# EAGLE board working (EAGLE 9.6.2), part 18 of 28 (continued)
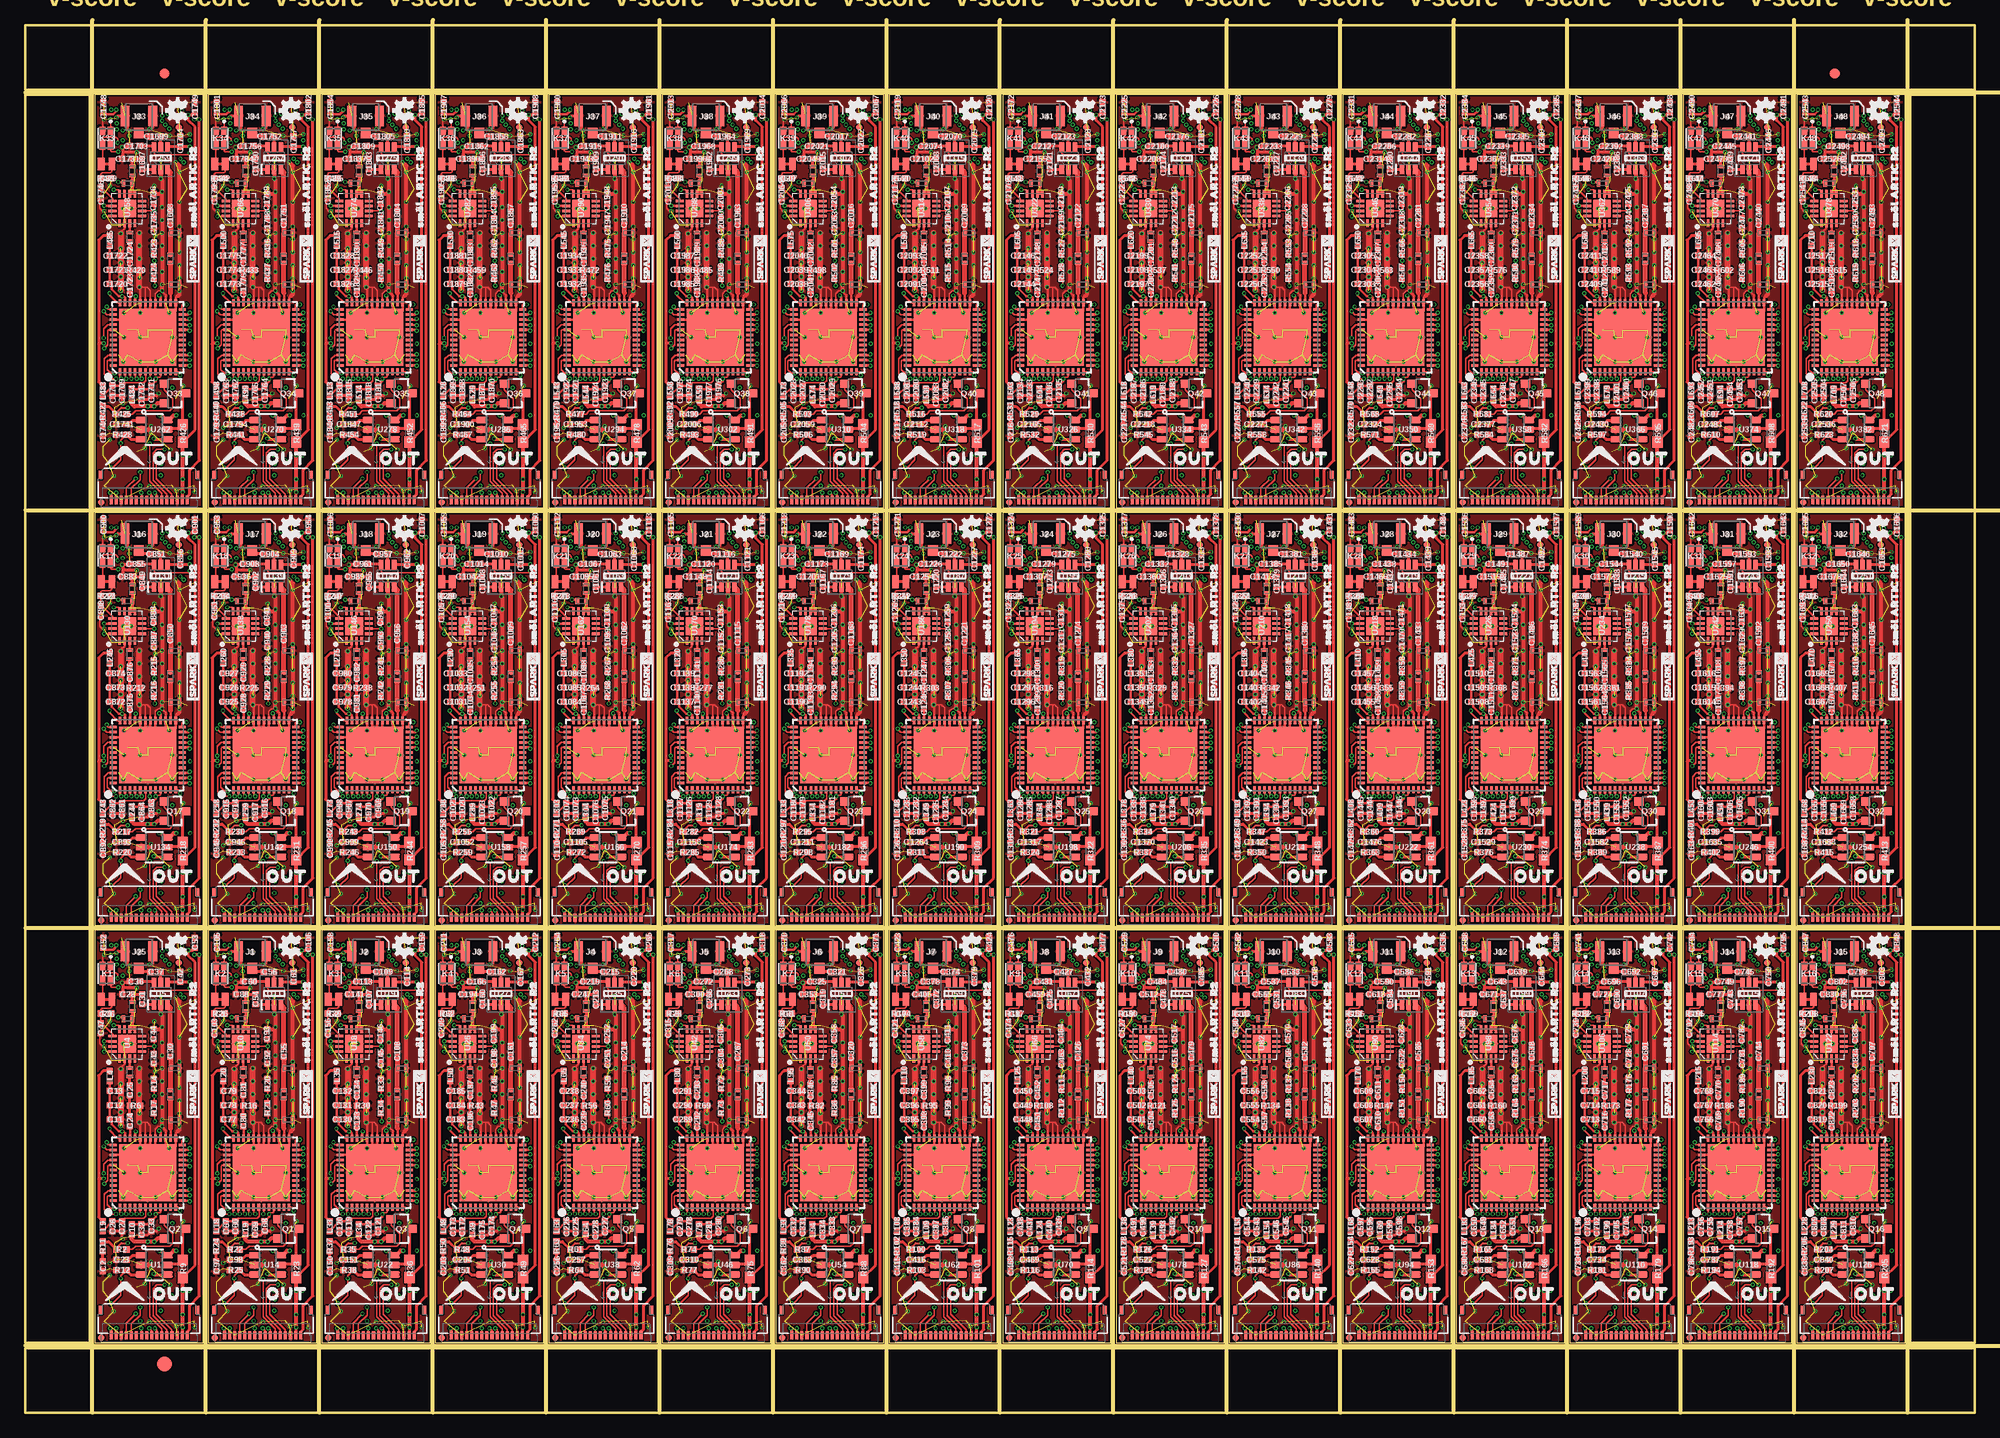
[diagram p0: board, top side]
## Tracks (layer width: path | path; a pad name or v marks a point on that pad's centre or on a via) (continued)
  Bottom 0.254: X42.1 110.68,106.3 v110.3,105.92
  Bottom 0.305: C2222.2 114.24,99.89 v113.73,100.39
  Bottom 0.406: v108.9,97.03 108.9,96.52 U332.2 108.9,96.39 v108.9,95.82
  other vias: 115.76,111.76 115.76,110.49 115.76,114.3 115.76,115.57 111.89,105.92 110.24,103.51 111.89,103.51 113.41,103.51 115.06,103.51 115.76,113.03 109.98,110.49 110.24,118.62 111,118.62 113.28,120.84 116.78,125.92 113.92,123.32 115.76,119.25 115.76,122.17 115.44,90.81 117.28,90.68 112.33,95 115.76,127.64 115.06,105.92 112.78,91.25 109.28,92.27 114.87,94.87 114.74,108.33 114.81,125.79 113.37,115.91 108.78,93.54
  cutout Route2 (isolate 0.305): 114.3,122.94 115.44,122.94 115.44,110.24 115.19,109.98 115.19,108.84 114.55,108.84 114.55,110.11 114.3,110.36
  pour Top (isolate 0.152, rank 3): 107.44,129.79 118.11,129.79 118.11,89.15 107.44,89.15
  pour Route2 (isolate 0.152, rank 2): 107.44,129.79 118.11,129.79 118.11,89.15 107.44,89.15
  pour Route15 (isolate 0.152, rank 2): 107.44,129.79 118.11,129.79 118.11,89.15 107.44,89.15
  pour Bottom (isolate 0.152, rank 2): 107.44,129.79 118.11,129.79 118.11,89.15 107.44,89.15
  pour Top (isolate 0.102): 109.73,117.48 112.14,117.48 112.14,108.59 109.73,108.59
  pour Top (isolate 0.102): 113.86,122.94 115.95,122.94 115.95,108.59 113.86,108.59
  pour Top (isolate 0.102): 110.36,123.89 113.86,123.89 113.86,119.44 110.36,119.44
  pour Top (isolate 0.102): 109.79,128.91 114.36,128.91 114.36,123.89 109.79,123.89
GND42  (via drill 0.2)  (89 unrouted)
  Top 0.152: U337.30 124.08,110.56 123.76,110.87 123.57,110.87 | v123,110.87 123.57,110.87 | U337.31 123.58,110.87 123.57,110.87 | U337.29 124.56,109.34 124.56,110.21 124.84,110.49 v125.22,110.49 | v119.51,118.36 119.32,118.36 119.06,118.62 119.06,119.52 C2276.1 | K43.2 119.36,127.23 v119.51,127.38
  Top 0.203: U338.2 121.54,116.65 121.16,116.27 v121.16,116.14
  Top 0.254: v125.22,110.49 125.22,110.43 125.58,110.07 U337.27 125.58,108.23 125.6,108.2 | 126.75,109.98 126.58,109.81 U337.25 126.58,108.54 126.24,108.2 125.6,108.2 | 123.08,108.34 U337.32 123.08,110.8 v123,110.87 | 123.08,108.34 v123.06,108.33 | U337.39 121.23,107.67 121.48,107.91 v121.48,108.33 | 125.6,108.2 124.59,108.2 | 124.59,108.2 124.08,108.2 | 124.08,108.2 123.57,108.2 | 123.57,108.2 123.21,108.2 123.08,108.34 | U337.31 123.58,108.21 123.57,108.2 | U337.30 124.08,108.21 124.08,108.2 | U337.29 124.58,108.22 124.59,108.2
  Top 0.305: v120.71,127.57 120.88,127.73 J43.2 121.79,127.5 121.79,126.49 v121.98,126.3 | v123.95,126.43 124.14,126.43 124.31,126.6 J43.1 | C2242.2 123.83,99.83 C2241.2 124.66,100.15 v124.9,100.39 | v121.35,99.44 121.29,99.51 C2239.2 C2240.2 | C2261.1 121.29,123.64 121.41,123.76 121.41,124.14 | 121.41,124.14 121.41,124.52 v121.29,124.65 121.93,124.65 C2233.2 | v122.75,124.14 121.41,124.14
  Top 0.406: 126.75,109.98 126.92,110.16 L642.P$1 L643.P$1 126.92,116.83 v126.94,116.84 126.94,122.81 v126.56,123.19 | R550.1 | v125.22,110.49 v125.22,111.12 v125.22,112.4 v125.22,113.67 v125.22,114.94 v125.22,116.2 v125.22,117.48 v125.22,118.75 v125.22,120.27 | C2266.2 125.02,120.07 v125.22,120.27 | v124.14,97.16 123.83,96.84 | U342.2 123.83,96.84 | v124.14,96.52 123.83,96.84 | U339.2 v125.09,121.54 125.22,121.41 v125.22,120.27
  Top 0.61: v123,110.87 v123,111.76 v123,113.67 v123,114.94 v123,116.2 | 121.16,110.6 v121.16,111.89 v121.16,113.28 v121.16,114.68 v121.16,116.14
  Bottom 0.152: U343.4 127.5,100.98 v127.32,101.16 | v121.29,124.65 120.52,124.65 119.52,123.64 R551.2 C2255.1 119.52,121.4 v120.08,120.84 | X43.2 120.06,106.25 118.88,106.25 | C2231.2 118.88,95.76 118.88,103.2 | 118.88,106.25 118.88,109.42 119.06,109.6 C2244.2 119.64,109.6 120.55,108.69 120.89,108.69 121.25,108.33 v121.48,108.33 | 118.88,106.25 118.88,103.2 | R549.2 118.88,103.2
  Bottom 0.254: X43.1 121.86,106.3 v121.48,105.92
  Bottom 0.305: C2275.2 125.41,99.89 v124.9,100.39
  Bottom 0.406: v120.08,97.03 120.08,96.52 U340.2 120.08,96.39 v120.08,95.82
  other vias: 126.94,111.76 126.94,110.49 126.94,114.3 126.94,115.57 123.06,105.92 121.41,103.51 123.06,103.51 124.59,103.51 126.24,103.51 126.94,113.03 121.16,110.49 121.41,118.62 122.17,118.62 124.46,120.84 127.95,125.92 125.09,123.32 126.94,119.25 126.94,122.17 126.62,90.81 128.46,90.68 123.51,95 126.94,127.64 126.24,105.92 123.95,91.25 120.46,92.27 126.05,94.87 125.92,108.33 125.98,125.79 124.55,115.91 119.95,93.54
  cutout Route2 (isolate 0.305): 125.48,122.94 126.62,122.94 126.62,110.24 126.37,109.98 126.37,108.84 125.73,108.84 125.73,110.11 125.48,110.36
  pour Top (isolate 0.152, rank 3): 118.62,129.79 129.29,129.79 129.29,89.15 118.62,89.15
  pour Route2 (isolate 0.152, rank 2): 118.62,129.79 129.29,129.79 129.29,89.15 118.62,89.15
  pour Route15 (isolate 0.152, rank 2): 118.62,129.79 129.29,129.79 129.29,89.15 118.62,89.15
  pour Bottom (isolate 0.152, rank 2): 118.62,129.79 129.29,129.79 129.29,89.15 118.62,89.15
  pour Top (isolate 0.102): 120.9,117.48 123.32,117.48 123.32,108.59 120.9,108.59
  pour Top (isolate 0.102): 125.03,122.94 127.13,122.94 127.13,108.59 125.03,108.59
  pour Top (isolate 0.102): 121.54,123.89 125.03,123.89 125.03,119.44 121.54,119.44
  pour Top (isolate 0.102): 120.97,128.91 125.54,128.91 125.54,123.89 120.97,123.89
GND43  (via drill 0.2)  (89 unrouted)
  Top 0.152: U345.30 135.25,110.56 134.94,110.87 134.75,110.87 | v134.17,110.87 134.75,110.87 | U345.31 134.75,110.87 | U345.29 135.73,109.34 135.73,110.21 136.01,110.49 v136.4,110.49 | v130.68,118.36 130.49,118.36 130.24,118.62 130.24,119.52 C2329.1 | K44.2 130.54,127.23 v130.68,127.38
  Top 0.203: U346.2 132.72,116.65 132.33,116.27 v132.33,116.14
  Top 0.254: v136.4,110.49 136.4,110.43 136.75,110.07 U345.27 136.75,108.23 136.78,108.2 | 137.92,109.98 137.75,109.81 U345.25 137.75,108.54 137.41,108.2 136.78,108.2 | 134.25,108.34 U345.32 134.25,110.8 v134.17,110.87 | 134.25,108.34 v134.24,108.33 | U345.39 132.41,107.67 132.65,107.91 v132.65,108.33 | 136.78,108.2 135.76,108.2 | 135.76,108.2 135.25,108.2 | 135.25,108.2 134.75,108.2 | 134.75,108.2 134.39,108.2 134.25,108.34 | U345.31 134.75,108.21 134.75,108.2 | U345.30 135.25,108.21 135.25,108.2 | U345.29 135.75,108.22 135.76,108.2
  Top 0.305: v131.89,127.57 132.05,127.73 J44.2 132.97,127.5 132.97,126.49 v133.16,126.3 | v135.13,126.43 135.32,126.43 135.49,126.6 J44.1 | C2295.2 135,99.83 C2294.2 135.83,100.15 v136.08,100.39 | v132.52,99.44 132.46,99.51 C2292.2 C2293.2 | C2314.1 132.47,123.64 132.59,123.76 132.59,124.14 | 132.59,124.14 132.59,124.52 v132.46,124.65 133.1,124.65 C2286.2 | v133.92,124.14 132.59,124.14
  Top 0.406: 137.92,109.98 138.1,110.16 L657.P$1 L658.P$1 138.1,116.83 v138.11,116.84 138.11,122.81 v137.73,123.19 | 134.24,112.51 R563.1 | v136.4,110.49 v136.4,111.12 v136.4,112.4 v136.4,113.67 v136.4,114.94 v136.4,116.2 v136.4,117.48 v136.4,118.75 v136.4,120.27 | C2319.2 136.2,120.07 v136.4,120.27 | v135.32,97.16 135,96.84 | U350.2 135,96.84 | v135.32,96.52 135,96.84 | U347.2 v136.27,121.54 136.4,121.41 v136.4,120.27
  Top 0.61: v134.17,110.87 v134.17,111.76 v134.17,113.67 v134.17,114.94 v134.17,116.2 | 132.33,110.6 v132.33,111.89 v132.33,113.28 v132.33,114.68 v132.33,116.14
  Bottom 0.152: U351.4 138.67,100.98 v138.49,101.16 | v132.46,124.65 131.7,124.65 130.69,123.64 R564.2 C2308.1 130.69,121.4 v131.25,120.84 | X44.2 131.23,106.25 130.05,106.25 | C2284.2 130.05,95.76 130.05,103.2 | 130.05,106.25 130.05,109.42 130.24,109.6 C2297.2 130.82,109.6 131.73,108.69 132.07,108.69 132.43,108.33 v132.65,108.33 | 130.05,106.25 130.05,103.2 | R562.2 130.06,103.2 130.05,103.2
  Bottom 0.254: X44.1 133.03,106.3 v132.65,105.92
  Bottom 0.305: C2328.2 136.59,99.89 v136.08,100.39
  Bottom 0.406: v131.25,97.03 131.25,96.52 U348.2 131.25,96.39 v131.25,95.82
  other vias: 138.11,111.76 138.11,110.49 138.11,114.3 138.11,115.57 134.24,105.92 132.59,103.51 134.24,103.51 135.76,103.51 137.41,103.51 138.11,113.03 132.33,110.49 132.59,118.62 133.35,118.62 135.64,120.84 139.13,125.92 136.27,123.32 138.11,119.25 138.11,122.17 137.8,90.81 139.64,90.68 134.68,95 138.11,127.64 137.41,105.92 135.13,91.25 131.64,92.27 137.22,94.87 137.1,108.33 137.16,125.79 135.72,115.91 131.13,93.54
  cutout Route2 (isolate 0.305): 136.65,122.94 137.8,122.94 137.8,110.24 137.54,109.98 137.54,108.84 136.91,108.84 136.91,110.11 136.65,110.36
  pour Top (isolate 0.152, rank 3): 129.79,129.79 140.46,129.79 140.46,89.15 129.79,89.15
  pour Route2 (isolate 0.152, rank 2): 129.79,129.79 140.46,129.79 140.46,89.15 129.79,89.15
  pour Route15 (isolate 0.152, rank 2): 129.79,129.79 140.46,129.79 140.46,89.15 129.79,89.15
  pour Bottom (isolate 0.152, rank 2): 129.79,129.79 140.46,129.79 140.46,89.15 129.79,89.15
  pour Top (isolate 0.102): 132.08,117.48 134.49,117.48 134.49,108.59 132.08,108.59
  pour Top (isolate 0.102): 136.21,122.94 138.3,122.94 138.3,108.59 136.21,108.59
  pour Top (isolate 0.102): 132.72,123.89 136.21,123.89 136.21,119.44 132.72,119.44
  pour Top (isolate 0.102): 132.14,128.91 136.72,128.91 136.72,123.89 132.14,123.89
GND44  (via drill 0.2)  (89 unrouted)
  Top 0.152: U353.30 146.43,110.56 146.11,110.87 145.92,110.87 | v145.35,110.87 145.92,110.87 | U353.31 145.93,110.87 145.92,110.87 | U353.29 146.91,109.34 146.91,110.21 147.19,110.49 v147.57,110.49 | v141.86,118.36 141.67,118.36 141.41,118.62 141.41,119.52 C2382.1 | K45.2 141.71,127.23 v141.86,127.38
  Top 0.203: U354.2 143.9,116.65 143.51,116.27 v143.51,116.14
  Top 0.254: v147.57,110.49 147.57,110.43 147.93,110.07 U353.27 147.93,108.23 147.96,108.2 | 149.1,109.98 148.93,109.81 U353.25 148.93,108.54 148.59,108.2 147.96,108.2 | 145.43,108.34 U353.32 145.43,110.8 v145.35,110.87 | 145.43,108.34 v145.41,108.33 | U353.39 143.58,107.67 143.83,107.91 v143.83,108.33 | 147.96,108.2 146.94,108.2 | 146.94,108.2 146.43,108.2 | 146.43,108.2 145.92,108.2 | 145.92,108.2 145.57,108.2 145.43,108.34 | U353.31 145.93,108.21 145.92,108.2 | U353.30 146.43,108.21 146.43,108.2 | U353.29 146.93,108.22 146.94,108.2
  Top 0.305: v143.07,127.57 143.23,127.73 J45.2 144.15,127.5 144.15,126.49 v144.34,126.3 | v146.3,126.43 146.5,126.43 146.66,126.6 J45.1 | C2348.2 146.18,99.83 C2347.2 147.01,100.15 v147.26,100.39 | v143.7,99.44 143.64,99.51 C2345.2 C2346.2 | C2367.1 143.65,123.64 143.76,123.76 143.76,124.14 | 143.76,124.14 143.76,124.52 v143.64,124.65 144.28,124.65 C2339.2 | v145.1,124.14 143.76,124.14
  Top 0.406: 149.1,109.98 149.28,110.16 L672.P$1 L673.P$1 149.28,116.83 v149.29,116.84 149.29,122.81 v148.91,123.19 | R576.1 | v147.57,110.49 v147.57,111.12 v147.57,112.4 v147.57,113.67 v147.57,114.94 v147.57,116.2 v147.57,117.48 v147.57,118.75 v147.57,120.27 | C2372.2 147.38,120.07 v147.57,120.27 | v146.5,97.16 146.18,96.84 | U358.2 146.18,96.84 | v146.5,96.52 146.18,96.84 | U355.2 v147.45,121.54 147.57,121.41 v147.57,120.27
  Top 0.61: v145.35,110.87 v145.35,111.76 v145.35,113.67 v145.35,114.94 v145.35,116.2 | 143.51,110.6 v143.51,111.89 v143.51,113.28 v143.51,114.68 v143.51,116.14
  Bottom 0.152: U359.4 149.85,100.98 v149.67,101.16 | v143.64,124.65 142.88,124.65 141.87,123.64 R577.2 C2361.1 141.87,121.4 v142.43,120.84 | X45.2 142.41,106.25 141.23,106.25 | C2337.2 141.23,95.76 141.23,103.2 | 141.23,106.25 141.23,109.42 141.41,109.6 C2350.2 141.99,109.6 142.9,108.69 143.24,108.69 143.61,108.33 v143.83,108.33 | 141.23,106.25 141.23,103.2 | R575.2 141.23,103.2
  Bottom 0.254: X45.1 144.21,106.3 v143.83,105.92
  Bottom 0.305: C2381.2 147.76,99.89 v147.26,100.39
  Bottom 0.406: v142.43,97.03 142.43,96.52 U356.2 142.43,96.39 v142.43,95.82
  other vias: 149.29,111.76 149.29,110.49 149.29,114.3 149.29,115.57 145.41,105.92 143.76,103.51 145.41,103.51 146.94,103.51 148.59,103.51 149.29,113.03 143.51,110.49 143.76,118.62 144.53,118.62 146.81,120.84 150.3,125.92 147.45,123.32 149.29,119.25 149.29,122.17 148.97,90.81 150.81,90.68 145.86,95 149.29,127.64 148.59,105.92 146.3,91.25 142.81,92.27 148.4,94.87 148.27,108.33 148.34,125.79 146.9,115.91 142.3,93.54
  cutout Route2 (isolate 0.305): 147.83,122.94 148.97,122.94 148.97,110.24 148.72,109.98 148.72,108.84 148.08,108.84 148.08,110.11 147.83,110.36
  pour Top (isolate 0.152, rank 3): 140.97,129.79 151.64,129.79 151.64,89.15 140.97,89.15
  pour Route2 (isolate 0.152, rank 2): 140.97,129.79 151.64,129.79 151.64,89.15 140.97,89.15
  pour Route15 (isolate 0.152, rank 2): 140.97,129.79 151.64,129.79 151.64,89.15 140.97,89.15
  pour Bottom (isolate 0.152, rank 2): 140.97,129.79 151.64,129.79 151.64,89.15 140.97,89.15
  pour Top (isolate 0.102): 143.26,117.48 145.67,117.48 145.67,108.59 143.26,108.59
  pour Top (isolate 0.102): 147.38,122.94 149.48,122.94 149.48,108.59 147.38,108.59
  pour Top (isolate 0.102): 143.89,123.89 147.38,123.89 147.38,119.44 143.89,119.44
  pour Top (isolate 0.102): 143.32,128.91 147.89,128.91 147.89,123.89 143.32,123.89
GND45  (via drill 0.2)  (89 unrouted)
  Top 0.152: U361.30 157.6,110.56 157.29,110.87 157.1,110.87 | v156.53,110.87 157.1,110.87 | U361.31 157.1,110.87 | U361.29 158.09,109.34 158.09,110.21 158.37,110.49 v158.75,110.49 | v153.03,118.36 152.84,118.36 152.59,118.62 152.59,119.52 C2435.1 | K46.2 152.89,127.23 v153.03,127.38
  Top 0.203: U362.2 155.07,116.65 154.69,116.27 v154.69,116.14
  Top 0.254: v158.75,110.49 158.75,110.43 159.1,110.07 U361.27 159.1,108.23 159.13,108.2 | 160.27,109.98 160.1,109.81 U361.25 160.1,108.54 159.77,108.2 159.13,108.2 | 156.6,108.34 U361.32 156.6,110.8 v156.53,110.87 | 156.6,108.34 v156.59,108.33 | U361.39 154.76,107.67 155,107.91 v155,108.33 | 159.13,108.2 158.12,108.2 | 158.12,108.2 157.61,108.2 | 157.61,108.2 157.1,108.2 | 157.1,108.2 156.74,108.2 156.6,108.34 | U361.31 157.1,108.21 157.1,108.2 | U361.30 157.6,108.21 157.61,108.2 | U361.29 158.1,108.22 158.12,108.2
  Top 0.305: v154.24,127.57 154.41,127.73 J46.2 155.32,127.5 155.32,126.49 v155.51,126.3 | v157.48,126.43 157.67,126.43 157.84,126.6 J46.1 | C2401.2 157.35,99.83 C2400.2 158.19,100.15 v158.43,100.39 | v154.88,99.44 154.81,99.51 C2398.2 C2399.2 | C2420.1 154.82,123.64 154.94,123.76 154.94,124.14 | 154.94,124.14 154.94,124.52 v154.81,124.65 155.46,124.65 C2392.2 | v156.27,124.14 154.94,124.14
  Top 0.406: 160.27,109.98 160.45,110.16 L687.P$1 L688.P$1 160.45,116.83 v160.47,116.84 160.47,122.81 v160.08,123.19 | 156.59,112.51 R589.1 | v158.75,110.49 v158.75,111.12 v158.75,112.4 v158.75,113.67 v158.75,114.94 v158.75,116.2 v158.75,117.48 v158.75,118.75 v158.75,120.27 | C2425.2 158.55,120.07 v158.75,120.27 | v157.67,97.16 157.35,96.84 | U366.2 157.35,96.84 | v157.67,96.52 157.35,96.84 | U363.2 v158.62,121.54 158.75,121.41 v158.75,120.27
  Top 0.61: v156.53,110.87 v156.53,111.76 v156.53,113.67 v156.53,114.94 v156.53,116.2 | 154.69,110.6 v154.69,111.89 v154.69,113.28 v154.69,114.68 v154.69,116.14
  Bottom 0.152: U367.4 161.02,100.98 v160.85,101.16 | v154.81,124.65 154.05,124.65 153.04,123.64 R590.2 C2414.1 153.04,121.4 v153.61,120.84 | X46.2 153.58,106.25 152.41,106.25 | C2390.2 152.41,95.76 152.41,103.2 | 152.41,106.25 152.41,109.42 152.59,109.6 C2403.2 153.17,109.6 154.08,108.69 154.42,108.69 154.78,108.33 v155,108.33 | 152.41,106.25 152.41,103.2 | R588.2 152.41,103.2
  Bottom 0.254: X46.1 155.39,106.3 v155,105.92
  Bottom 0.305: C2434.2 158.94,99.89 v158.43,100.39
  Bottom 0.406: v153.61,97.03 153.61,96.52 U364.2 153.61,96.39 v153.61,95.82
  other vias: 160.46,111.76 160.46,110.49 160.46,114.3 160.46,115.57 156.59,105.92 154.94,103.51 156.59,103.51 158.12,103.51 159.77,103.51 160.46,113.03 154.69,110.49 154.94,118.62 155.7,118.62 157.99,120.84 161.48,125.92 158.62,123.32 160.46,119.25 160.46,122.17 160.15,90.81 161.99,90.68 157.04,95 160.46,127.64 159.77,105.92 157.48,91.25 153.99,92.27 159.58,94.87 159.45,108.33 159.51,125.79 158.08,115.91 153.48,93.54
  cutout Route2 (isolate 0.305): 159,122.94 160.15,122.94 160.15,110.24 159.89,109.98 159.89,108.84 159.26,108.84 159.26,110.11 159,110.36
  pour Top (isolate 0.152, rank 3): 152.15,129.79 162.81,129.79 162.81,89.15 152.15,89.15
  pour Route2 (isolate 0.152, rank 2): 152.15,129.79 162.81,129.79 162.81,89.15 152.15,89.15
  pour Route15 (isolate 0.152, rank 2): 152.15,129.79 162.81,129.79 162.81,89.15 152.15,89.15
  pour Bottom (isolate 0.152, rank 2): 152.15,129.79 162.81,129.79 162.81,89.15 152.15,89.15
  pour Top (isolate 0.102): 154.43,117.48 156.84,117.48 156.84,108.59 154.43,108.59
  pour Top (isolate 0.102): 158.56,122.94 160.66,122.94 160.66,108.59 158.56,108.59
  pour Top (isolate 0.102): 155.07,123.89 158.56,123.89 158.56,119.44 155.07,119.44
  pour Top (isolate 0.102): 154.5,128.91 159.07,128.91 159.07,123.89 154.5,123.89
GND46  (via drill 0.2)  (89 unrouted)
  Top 0.152: U369.30 168.78,110.56 168.47,110.87 168.28,110.87 | v167.7,110.87 168.28,110.87 | U369.31 168.28,110.87 | U369.29 169.26,109.34 169.26,110.21 169.54,110.49 v169.93,110.49 | v164.21,118.36 164.02,118.36 163.77,118.62 163.77,119.52 C2488.1 | K47.2 164.06,127.23 v164.21,127.38
  Top 0.203: U370.2 166.25,116.65 165.86,116.27 v165.86,116.14
  Top 0.254: v169.93,110.49 169.93,110.43 170.28,110.07 U369.27 170.28,108.23 170.31,108.2 | 171.45,109.98 171.28,109.81 U369.25 171.28,108.54 170.94,108.2 170.31,108.2 | 167.78,108.34 U369.32 167.78,110.8 v167.7,110.87 | 167.78,108.34 v167.77,108.33 | U369.39 165.94,107.67 166.18,107.91 v166.18,108.33 | 170.31,108.2 169.29,108.2 | 169.29,108.2 168.78,108.2 | 168.78,108.2 168.28,108.2 | 168.28,108.2 167.92,108.2 167.78,108.34 | U369.31 168.28,108.21 168.28,108.2 | U369.30 168.78,108.21 168.78,108.2 | U369.29 169.28,108.22 169.29,108.2
  Top 0.305: v165.42,127.57 165.58,127.73 J47.2 166.5,127.5 166.5,126.49 v166.69,126.3 | v168.66,126.43 168.85,126.43 169.02,126.6 J47.1 | C2454.2 168.53,99.83 C2453.2 169.36,100.15 v169.61,100.39 | v166.05,99.44 165.99,99.51 C2451.2 C2452.2 | C2473.1 166,123.64 166.12,123.76 166.12,124.14 | 166.12,124.14 166.12,124.52 v165.99,124.65 166.63,124.65 C2445.2 | v167.45,124.14 166.12,124.14
  Top 0.406: 171.45,109.98 171.63,110.16 L702.P$1 L703.P$1 171.63,116.83 v171.64,116.84 171.64,122.81 v171.26,123.19 | R602.1 | v169.93,110.49 v169.93,111.12 v169.93,112.4 v169.93,113.67 v169.93,114.94 v169.93,116.2 v169.93,117.48 v169.93,118.75 v169.93,120.27 | C2478.2 169.73,120.07 v169.93,120.27 | v168.85,97.16 168.53,96.84 | U374.2 168.53,96.84 | v168.85,96.52 168.53,96.84 | U371.2 v169.8,121.54 169.93,121.41 v169.93,120.27
  Top 0.61: v167.7,110.87 v167.7,111.76 v167.7,113.67 v167.7,114.94 v167.7,116.2 | 165.86,110.6 v165.86,111.89 v165.86,113.28 v165.86,114.68 v165.86,116.14
  Bottom 0.152: U375.4 172.2,100.98 v172.02,101.16 | v165.99,124.65 165.23,124.65 164.22,123.64 R603.2 C2467.1 164.22,121.4 v164.78,120.84 | X47.2 164.76,106.25 163.58,106.25 | C2443.2 163.58,95.76 163.58,103.2 | 163.58,106.25 163.58,109.42 163.76,109.6 C2456.2 164.35,109.6 165.25,108.69 165.59,108.69 165.96,108.33 v166.18,108.33 | 163.58,106.25 163.58,103.2 | R601.2 163.59,103.2 163.58,103.2
  Bottom 0.254: X47.1 166.56,106.3 v166.18,105.92
  Bottom 0.305: C2487.2 170.12,99.89 v169.61,100.39
  Bottom 0.406: v164.78,97.03 164.78,96.52 U372.2 164.78,96.39 v164.78,95.82
  other vias: 171.64,111.76 171.64,110.49 171.64,114.3 171.64,115.57 167.77,105.92 166.12,103.51 167.77,103.51 169.29,103.51 170.94,103.51 171.64,113.03 165.86,110.49 166.12,118.62 166.88,118.62 169.16,120.84 172.66,125.92 169.8,123.32 171.64,119.25 171.64,122.17 171.32,90.81 173.16,90.68 168.21,95 171.64,127.64 170.94,105.92 168.66,91.25 165.16,92.27 170.75,94.87 170.62,108.33 170.69,125.79 169.25,115.91 164.66,93.54
  cutout Route2 (isolate 0.305): 170.18,122.94 171.32,122.94 171.32,110.24 171.07,109.98 171.07,108.84 170.43,108.84 170.43,110.11 170.18,110.36
  pour Top (isolate 0.152, rank 3): 163.32,129.79 173.99,129.79 173.99,89.15 163.32,89.15
  pour Route2 (isolate 0.152, rank 2): 163.32,129.79 173.99,129.79 173.99,89.15 163.32,89.15
  pour Route15 (isolate 0.152, rank 2): 163.32,129.79 173.99,129.79 173.99,89.15 163.32,89.15
  pour Bottom (isolate 0.152, rank 2): 163.32,129.79 173.99,129.79 173.99,89.15 163.32,89.15
  pour Top (isolate 0.102): 165.61,117.48 168.02,117.48 168.02,108.59 165.61,108.59
  pour Top (isolate 0.102): 169.74,122.94 171.83,122.94 171.83,108.59 169.74,108.59
  pour Top (isolate 0.102): 166.24,123.89 169.74,123.89 169.74,119.44 166.24,119.44
  pour Top (isolate 0.102): 165.67,128.91 170.24,128.91 170.24,123.89 165.67,123.89
GND47  (via drill 0.2)  (89 unrouted)
  Top 0.152: U377.30 179.96,110.56 179.64,110.87 179.45,110.87 | v178.88,110.87 179.45,110.87 | U377.31 179.46,110.87 179.45,110.87 | U377.29 180.44,109.34 180.44,110.21 180.72,110.49 v181.1,110.49 | v175.39,118.36 175.2,118.36 174.94,118.62 174.94,119.52 C2541.1 | K48.2 175.24,127.23 v175.39,127.38
  Top 0.203: U378.2 177.42,116.65 177.04,116.27 v177.04,116.14
  Top 0.254: v181.1,110.49 181.1,110.43 181.46,110.07 U377.27 181.46,108.23 181.48,108.2 | 182.63,109.98 182.46,109.81 U377.25 182.46,108.54 182.12,108.2 181.48,108.2 | 178.96,108.34 U377.32 178.96,110.8 v178.88,110.87 | 178.96,108.34 v178.94,108.33 | U377.39 177.11,107.67 177.36,107.91 v177.36,108.33 | 181.48,108.2 180.47,108.2 | 180.47,108.2 179.96,108.2 | 179.96,108.2 179.45,108.2 | 179.45,108.2 179.09,108.2 178.96,108.34 | U377.31 179.46,108.21 179.45,108.2 | U377.30 179.96,108.21 179.96,108.2 | U377.29 180.46,108.22 180.47,108.2
  Top 0.305: v176.59,127.57 176.76,127.73 J48.2 177.67,127.5 177.67,126.49 v177.86,126.3 | v179.83,126.43 180.02,126.43 180.19,126.6 J48.1 | C2507.2 179.71,99.83 C2506.2 180.54,100.15 v180.78,100.39 | v177.23,99.44 177.16,99.51 C2504.2 C2505.2 | C2526.1 177.17,123.64 177.29,123.76 177.29,124.14 | 177.29,124.14 177.29,124.52 v177.16,124.65 177.81,124.65 C2498.2 | v178.63,124.14 177.29,124.14
  Top 0.406: 182.63,109.98 182.8,110.16 L717.P$1 L718.P$1 182.8,116.83 v182.82,116.84 182.82,122.81 v182.44,123.19 | R615.1 | v181.1,110.49 v181.1,111.12 v181.1,112.4 v181.1,113.67 v181.1,114.94 v181.1,116.2 v181.1,117.48 v181.1,118.75 v181.1,120.27 | C2531.2 180.9,120.07 v181.1,120.27 | v180.02,97.16 179.71,96.84 | U382.2 179.71,96.84 | v180.02,96.52 179.71,96.84 | U379.2 v180.97,121.54 181.1,121.41 v181.1,120.27
  Top 0.61: v178.88,110.87 v178.88,111.76 v178.88,113.67 v178.88,114.94 v178.88,116.2 | 177.04,110.6 v177.04,111.89 v177.04,113.28 v177.04,114.68 v177.04,116.14
  Bottom 0.152: U383.4 183.38,100.98 v183.2,101.16 | v177.16,124.65 176.4,124.65 175.4,123.64 R616.2 C2520.1 175.4,121.4 v175.96,120.84 | X48.2 175.94,106.25 174.76,106.25 | C2496.2 174.76,95.76 174.76,103.2 | 174.76,106.25 174.76,109.42 174.94,109.6 C2509.2 175.52,109.6 176.43,108.69 176.77,108.69 177.13,108.33 v177.36,108.33 | 174.76,106.25 174.76,103.2 | R614.2 174.76,103.2
  Bottom 0.254: X48.1 177.74,106.3 v177.36,105.92
  Bottom 0.305: C2540.2 181.29,99.89 v180.78,100.39
  Bottom 0.406: v175.96,97.03 175.96,96.52 U380.2 175.96,96.39 v175.96,95.82
  other vias: 182.82,111.76 182.82,110.49 182.82,114.3 182.82,115.57 178.94,105.92 177.29,103.51 178.94,103.51 180.47,103.51 182.12,103.51 182.82,113.03 177.04,110.49 177.29,118.62 178.05,118.62 180.34,120.84 183.83,125.92 180.97,123.32 182.82,119.25 182.82,122.17 182.5,90.81 184.34,90.68 179.39,95 182.82,127.64 182.12,105.92 179.83,91.25 176.34,92.27 181.93,94.87 181.8,108.33 181.86,125.79 180.43,115.91 175.83,93.54
  cutout Route2 (isolate 0.305): 181.36,122.94 182.5,122.94 182.5,110.24 182.25,109.98 182.25,108.84 181.61,108.84 181.61,110.11 181.36,110.36
  pour Top (isolate 0.152, rank 3): 174.5,129.79 185.17,129.79 185.17,89.15 174.5,89.15
  pour Route2 (isolate 0.152, rank 2): 174.5,129.79 185.17,129.79 185.17,89.15 174.5,89.15
  pour Route15 (isolate 0.152, rank 2): 174.5,129.79 185.17,129.79 185.17,89.15 174.5,89.15
  pour Bottom (isolate 0.152, rank 2): 174.5,129.79 185.17,129.79 185.17,89.15 174.5,89.15
  pour Top (isolate 0.102): 176.78,117.48 179.2,117.48 179.2,108.59 176.78,108.59
  pour Top (isolate 0.102): 180.91,122.94 183.01,122.94 183.01,108.59 180.91,108.59
  pour Top (isolate 0.102): 177.42,123.89 180.91,123.89 180.91,119.44 177.42,119.44
  pour Top (isolate 0.102): 176.85,128.91 181.42,128.91 181.42,123.89 176.85,123.89
GPIO0  (via drill 0.2)
  Top 0.152: R12.1 9.96,14.03 9.4,13.46 v9.4,13.21 9.4,11.56 8.62,10.78 v8.43,10.78
  Top 0.305: R12.1 10.4,13.59 U1.3
  Route15 0.127: v10.24,43.48 8.68,43.48 8.43,43.23 8.43,40.19 9.54,39.09 9.54,37.84 8.98,37.28 8.98,34.9 8.43,34.36 8.43,29.23 8.96,28.7 8.96,27.68 9.33,27.31 9.33,21.65 8.29,20.61 8.29,17.04 9.4,15.94 v9.4,13.21
  Bottom 0.152: v10.24,43.48 10.56,43.48 11.44,44.36 IN.10 | v8.43,10.78 8.3,10.65 7.51,10.65 GPIO0.1
GPIO1  (via drill 0.2)
  Top 0.152: OUT.10 11.44,8.31 v11.43,8.32
  Route15 0.127: v9.59,44.01 9.32,43.74 8.33,43.74 8.15,43.56 8.15,39.34 9.09,38.41 9.09,37.86 8.7,37.46 8.7,35.05 8.15,34.51 8.15,29.11 8.68,28.58 8.68,27.57 9.08,27.17 9.08,21.79 8.04,20.75 8.04,16.9 8.71,16.23 8.71,11.04 9.01,10.74 11.46,10.74 11.7,10.51 11.7,8.58 v11.43,8.32
  Bottom 0.152: IN.11 10.94,45.36 v9.59,44.01
GPIO2  (via drill 0.2)